# Allegro board S071AA-0413-20260427_Power3.brd (continued)
## Routing (per net, layer and track width the routed paths; a pad name or vN(x,y) marks a point on that pad's centre or on a via; arc(x,y) is an arc through that point) (continued)
S1_DCH231: length 155.4
  L07_DIG w0.076: v2(152.32,218.23) 152.72,218.63 154.27,218.63
  L07_DIG w0.132: 154.27,218.63 154.7,218.63 156.85,220.78 161.6,220.78 231.3,290.49 231.3,300.76 240.37,309.82 240.37,331.54 241.57,332.74
S1_DCH232: length 218.6
  L05_DIG w0.076: v2(153.12,217.43) 153.52,217.83 154.27,217.83
  L05_DIG w0.132: 259.35,99.06 260.69,100.4 260.69,183.15 215.02,228.82 174.49,228.82 165.58,219.91 165.58,217.49 164.74,216.65 158.94,216.65 157.37,218.22 156.54,218.22 156.16,217.83 154.27,217.83
S1_DCH233: length 239.1
  L22_DIG w0.076: v2(153.12,218.23) 153.52,218.63 154.27,218.63
  L22_DIG w0.132: 274.59,370.84 273.46,369.71 273.46,297.25 274.74,295.96 274.74,279.89 225.42,230.57 173.79,230.57 163.98,220.77 161.13,220.77 158.99,218.63 154.27,218.63
S1_DCH234: length 255.5
  L24_DIG w0.132: v2(153.92,218.23) 154.73,219.04 159.42,219.04 160.69,220.3 161.12,220.3 168.71,227.89 206.06,227.89 250.31,183.65 250.31,154.07 270.9,133.48 270.9,57.03 272.05,55.88
S1_DCH235: length 128.3
  L03_DIG w0.132: 195.85,330.2 194.55,328.9 194.55,296.97 193.13,295.55 193.13,289.52 148.51,244.9 148.51,224.02 v2(146.72,222.23)
S1_DCH236: length 211.6
  L20_DIG w0.076: 147.92,222.61 147.92,221.03 v2(147.52,220.63)
  L20_DIG w0.132: 277.13,332.74 275.94,331.55 275.94,290.22 243,257.27 164.84,257.27 150.1,242.53 150.1,224.79 147.92,222.61
S1_DCH237: length 194.3
  L18_DIG w0.076: v2(146.72,219.83) 147.12,220.23 147.12,222.58
  L18_DIG w0.132: 147.12,222.58 148.61,224.07 148.61,258.67 171.95,282.01 172.91,282.01 199.65,308.75 199.65,389.88 200.93,391.16
S1_DCH238: length 151.2
  L07_DIG w0.076: v2(146.72,220.63) 147.12,221.03 147.12,222.61
  L07_DIG w0.132: 147.12,222.61 147.12,223.7 150.17,226.76 150.17,242.13 175.05,267.01 175.05,268.61 176.12,269.68 177.72,269.68 193.55,285.51 193.55,295.66 194.59,296.7 194.59,349.26 195.85,350.52
S1_DCH239: length 195.6
  L18_DIG w0.076: 146.32,222.58 146.32,220.23 v2(145.92,219.83)
  L18_DIG w0.132: 198.39,393.7 197.12,392.43 197.12,308.99 148.01,259.88 148.01,224.27 146.32,222.58
S1_DCH240: length 231.2
  L22_DIG w0.076: v2(147.52,221.43) 147.92,221.83 147.92,222.61
  L22_DIG w0.132: 256.81,373.38 255.7,372.27 255.7,294.95 238.49,277.74 237.53,277.74 215.67,255.87 158.6,255.87 148.44,245.71 148.44,223.12 147.92,222.61
S1_DCH241: length 174.7
  L05_DIG w0.132: v2(146.72,207.03) 146.72,190.68 211.16,126.24 211.16,97.21 202.88,88.93 190.8,88.93 180.61,78.74
S1_DCH242: length 208.9
  L20_DIG w0.076: v2(146.72,219.03) 146.31,219.44 146.31,222.45
  L20_DIG w0.132: 146.31,222.45 148.66,224.8 148.66,243.31 163.99,258.64 239.85,258.64 273.38,292.17 273.38,328.99 274.59,330.2
S1_DCH243: length 210.6
  L20_DIG w0.076: 145.51,222.58 145.51,219.44 v2(145.92,219.03)
  L20_DIG w0.132: 272.05,332.74 270.88,331.57 270.88,292.2 239.98,261.31 164.38,261.31 148.08,245.01 148.08,225.14 145.51,222.58
S1_DCH244: length 257.1
  L24_DIG w0.132: 264.43,391.16 263.1,389.83 263.1,294.12 262.06,293.08 262.06,286.44 227.07,251.44 159.17,251.44 148.67,240.94 148.67,223.38 v2(147.52,222.23)
S1_DCH245: length 143.8
  L03_DIG w0.132: K45.2 209.68,174.46 209.68,87.49 200.93,78.74
S1_DCH246: length 163.7
  L03_DIG w0.132: 236.49,96.52 235.37,97.64 235.37,177.6 195.05,217.92 175.51,217.92 K46.5 K46.4
S1_DPS11: length 13.9
  L16_DPS w0.076: 154.27,217.09 148.78,217.09 v2(148.32,216.63)
  L16_DPS w0.203: 154.27,217.09 154.73,217.09 155.93,218.29 v1(160.44,218.29)
  BOTTOM w0.152: SH15.1 v1(160.44,218.29)
  vias: v1(202.71,292.12) v1(202.71,288.29) v1(202.71,283.21) v1(202.94,279.15) v1(205.52,279.15) v1(205.76,292.12) v1(205.76,288.29) v1(205.76,283.21) v2(144.32,216.63) v2(144.32,215.83) v2(144.32,213.43) v2(144.32,212.63) v2(145.12,216.63) v2(145.12,215.83) v2(145.12,213.43) v2(147.52,216.63) v2(147.52,215.83) v2(147.52,213.43) v2(148.32,215.83)
S1_DPS12: length 15
  L16_DPS w0.076: 140.7,222.61 140.76,222.54 140.76,218.82 140.99,218.59 141.56,218.59 v2(141.92,218.23)
  L16_DPS w0.203: v1(139.86,230.82) 139.86,223.44 140.7,222.61
  BOTTOM w0.152: SH13.1 v1(139.86,230.82)
  vias: v1(172.23,292.12) v1(172.23,288.29) v1(172.23,283.21) v1(172.46,279.15) v1(175.04,279.15) v1(175.28,292.12) v1(175.28,288.29) v1(175.28,283.21) v2(141.92,217.43) v2(141.92,215.03) v2(141.92,214.23) v2(143.52,219.03) v2(144.32,219.03) v2(147.52,219.03) v2(147.52,210.23) v2(149.92,219.03) v2(150.72,219.03) v2(150.72,212.63) v2(150.72,211.83) v2(150.72,211.03) v2(150.72,210.23) v2(151.52,212.63) v2(151.52,211.83) v2(152.32,212.63) v2(152.32,211.83) v2(155.31,213.36) v2(155.31,212.6) v2(155.31,211.84) v2(155.31,211.07)
S1_DPS13: length 11.3
  L09_DPS w0.076: v2(141.92,211.03) 141.51,211.44 141.51,212.02 141.23,212.31 138.29,212.31
  L09_DPS w0.203: v1(132.52,212.67) 137.93,212.67 138.29,212.31
  BOTTOM w0.152: SH9.1 v1(132.52,212.67)
  vias: v1(45.23,292.12) v1(45.23,288.29) v1(45.23,283.21) v1(45.46,279.15) v1(48.04,279.15) v1(48.28,292.12) v1(48.28,288.29) v1(48.28,283.21) v1(61.97,224.69) v1(61.97,209.45) v2(141.92,210.23) v2(145.12,212.63) v2(145.15,211.84)
S1_DPS14: length 13.7
  L11_DPS w0.076: v2(147.38,211.84) 147.13,211.59 147.13,206.68
  L11_DPS w0.203: v1(149.14,200.22) 149.14,204.01 147.13,206.02 147.13,206.68
  BOTTOM w0.152: v1(149.14,200.22) SH7.1
  vias: v1(146.83,292.12) v1(146.83,288.29) v1(146.83,283.21) v1(147.06,279.15) v1(149.64,279.15) v1(149.88,292.12) v1(149.88,288.29) v1(149.88,283.21) v2(144.32,210.23) v2(145.12,210.23) v2(147.52,212.63)
S1_DPS21: length 14.8
  L11_DPS w0.076: v2(148.32,210.23) 148.54,210.45 148.54,210.85 149.9,212.2 156.28,212.2
  L11_DPS w0.203: v1(160.56,212.67) 157.11,212.67 156.64,212.2 156.28,212.2
  BOTTOM w0.152: SH5.1 v1(160.56,212.67)
  vias: v1(123.97,292.12) v1(123.97,288.29) v1(123.97,283.21) v1(124.2,279.15) v1(126.78,279.15) v1(127.02,292.12) v1(127.02,288.29) v1(127.02,283.21)
S1_DPS22: length 20.2
  L11_DPS w0.076: v2(148.32,213.43) 147.93,213.82 147.36,213.82 147.17,214.01 147.17,222.61
  L11_DPS w0.203: 147.17,222.61 147.17,222.7 145.14,224.72 v1(145.14,230.92)
  BOTTOM w0.152: SH11.1 v1(145.14,230.92)
  vias: v1(96.03,292.12) v1(96.03,288.29) v1(96.03,283.21) v1(96.26,279.15) v1(98.84,279.15) v1(99.08,292.12) v1(99.08,288.29) v1(99.08,283.21)
S1_DPS23: length 7.5
  L16_DPS w0.203: v1(183.3,204.99) 181.43,203.12 v1(178.87,203.12)
  BOTTOM w0.152: SH3.1 v1(183.3,204.99)
  BOTTOM w0.305: OSC1.4 v1(176.02,204.19)
  vias: v1(235.73,292.12) v1(235.73,288.29) v1(235.73,283.21) v1(235.96,279.15) v1(238.54,279.15) v1(238.78,292.12) v1(238.78,288.29) v1(238.78,283.21) v2(177.6,202.99)
S1_VCC12A_O_REG: length 35.2
  L03_DIG w0.076: 156.28,212.22 148.72,212.22 v2(148.32,212.63)
  L03_DIG w0.132: K46.6 K46.3 174.59,211.6 171.21,211.6 169.54,213.28 159.75,213.28 158.7,212.22 156.28,212.22
  BOTTOM w0.305: C2.1 K46.6
S1_XOUT: length 30.2
  TOP w0.152: K45.3 174.85,204.76 171.69,204.76 170.7,205.75 148.3,205.75 147.52,206.53 SITE1.Y12
UDBGND: length 147.5
  L14_5V w0.203: UHC430.D2 53.64,358.56 ; UHC430.D2 55.17,360.09 ; UHC430.D2 53.68,360.05 ; UHC430.D2 55.29,358.43 ; 251.73,410.67 UTL3.B11 ; UTL3.B11 250.92,411.48 ; UTL3.B11 252.54,411.48 ; UTL3.B11 251.73,412.29 ; UTL2.A02 166.18,15.24 ; UTL2.A02 165.37,14.43 ; UTL2.A02 164.56,15.24 ; UTL2.A02 165.37,16.05 ; 108.68,411.48 UTL4.B09 ; UTL4.B09 110.3,411.48 ; UTL4.B09 109.49,412.29 ; UTL4.B09 109.49,410.67 ; 179.8,15.24 UTL2.A08 ; UTL2.A08 181.42,15.24 ; UTL2.A08 180.61,14.43 ; UTL2.A08 180.61,16.05 ; 244.11,413.21 UTL3.A14 ; UTL3.A14 244.11,414.83 ; UTL3.A14 243.3,414.02 ; UTL3.A14 244.92,414.02 ; 45.18,17.78 UTL1.B13 ; UTL1.B13 45.99,16.97 ; UTL1.B13 45.99,18.59 ; UTL1.B13 46.8,17.78 ; UTL1.A10 39.18,15.24 ; UTL1.A10 38.37,14.43 ; UTL1.A10 38.37,16.05 ; UTL1.A10 37.56,15.24 ; UTL2.B13 194.12,17.78 ; UTL2.B13 192.5,17.78 ; UTL2.B13 193.31,16.97 ; UTL2.B13 193.31,18.59 ; 248.38,414.02 UTL3.A12 ; UTL3.A12 249.19,414.83 ; UTL3.A12 250,414.02 ; UTL3.A12 249.19,413.21 ; UHC230.D2 55.19,349.95 ; UHC230.D2 53.68,349.89 ; UHC230.D2 55.17,348.39 ; UHC230.D2 53.64,348.4 ; UTL3.B07 262.7,411.48 ; UTL3.B07 261.89,410.67 ; UTL3.B07 261.08,411.48 ; UTL3.B07 261.89,412.29 ; UTL3.B09 257.62,411.48 ; UTL3.B09 256.81,410.67 ; UTL3.B09 256,411.48 ; UTL3.B09 256.81,412.29 ; UTL2.B09 183.96,17.78 ; UTL2.B09 183.15,16.97 ; UTL2.B09 182.34,17.78 ; UTL2.B09 183.15,18.59 ; 101.06,414.02 UTL4.A12 ; UTL4.A12 101.87,413.21 ; UTL4.A12 102.68,414.02 ; UTL4.A12 101.87,414.83 ; UTL1.B01 15.51,18.59 ; UTL1.B01 14.7,17.78 ; UTL1.B01 15.51,16.97 ; UTL1.B01 16.32,17.78 ; UTL2.A14 195.85,16.05 ; UTL2.A14 195.85,14.43 ; UTL2.A14 195.04,15.24 ; UTL2.A14 196.66,15.24 ; 129,411.48 UTL4.B01 ; UTL4.B01 129.81,412.29 ; UTL4.B01 130.62,411.48 ; UTL4.B01 129.81,410.67 ; UTL4.A08 112.84,414.02 ; UTL4.A08 111.22,414.02 ; UTL4.A08 112.03,413.21 ; UTL4.A08 112.03,414.83 ; UTL1.A08 33.29,16.05 ; UTL1.A08 33.29,14.43 ; UTL1.A08 34.1,15.24 ; UTL1.A08 32.48,15.24 ; UTL3.B13 246.65,412.29 ; UTL3.B13 247.46,411.48 ; UTL3.B13 246.65,410.67 ; UTL3.B13 245.84,411.48 ; 274.59,413.21 UTL3.A02 ; UTL3.A02 274.59,414.83 ; UTL3.A02 273.78,414.02 ; UTL3.A02 275.4,414.02 ; 35.83,16.97 UTL1.B09 ; UTL1.B09 36.64,17.78 ; UTL1.B09 35.83,18.59 ; UTL1.B09 35.02,17.78 ; UTL2.B11 188.23,18.59 ; UTL2.B11 187.42,17.78 ; UTL2.B11 188.23,16.97 ; UTL2.B11 189.04,17.78 ; 17.24,15.24 UTL1.A02 ; UTL1.A02 18.86,15.24 ; UTL1.A02 18.05,16.05 ; UTL1.A02 18.05,14.43 ; 189.96,15.24 UTL2.A12 ; UTL2.A12 190.77,14.43 ; UTL2.A12 191.58,15.24 ; UTL2.A12 190.77,16.05 ; 276.32,411.48 UTL3.B01 ; UTL3.B01 277.13,412.29 ; UTL3.B01 277.13,410.67 ; UTL3.B01 277.94,411.48 ; UTL3.A10 254.27,414.83 ; UTL3.A10 255.08,414.02 ; UTL3.A10 254.27,413.21 ; UTL3.A10 253.46,414.02 ; 40.91,16.97 UTL1.B11 ; UTL1.B11 40.1,17.78 ; UTL1.B11 41.72,17.78 ; UTL1.B11 40.91,18.59 ; 258.54,414.02 UTL3.A08 ; UTL3.A08 259.35,413.21 ; UTL3.A08 260.16,414.02 ; UTL3.A08 259.35,414.83 ; UTL4.B11 104.41,412.29 ; UTL4.B11 105.22,411.48 ; UTL4.B11 104.41,410.67 ; UTL4.B11 103.6,411.48 ; 106.14,414.02 UTL4.A10 ; UTL4.A10 106.95,413.21 ; UTL4.A10 107.76,414.02 ; UTL4.A10 106.95,414.83 ; 113.76,411.48 UTL4.B07 ; UTL4.B07 114.57,412.29 ; UTL4.B07 115.38,411.48 ; UTL4.B07 114.57,410.67 ; UHC430.B2 55.27,363.69 ; UHC430.B2 55.27,361.96 ; UHC430.B2 53.68,363.55 ; UHC430.B2 53.74,362.16 ; UTL2.B01 162.83,18.59 ; UTL2.B01 163.64,17.78 ; UTL2.B01 162.02,17.78 ; UTL2.B01 162.83,16.97 ; UTL2.A10 185.69,16.05 ; UTL2.A10 186.5,15.24 ; UTL2.A10 185.69,14.43 ; UTL2.A10 184.88,15.24 ; UTL1.B07 30.75,18.59 ; UTL1.B07 31.56,17.78 ; UTL1.B07 29.94,17.78 ; UTL1.B07 30.75,16.97 ; UHC230.B2 53.61,353.46 ; UHC230.B2 55.08,351.99 ; UHC230.B2 55.19,353.46 ; UHC230.B2 53.7,351.96 ; UTL2.B07 178.07,18.59 ; UTL2.B07 178.07,16.97 ; UTL2.B07 177.26,17.78 ; UTL2.B07 178.88,17.78 ; 95.98,414.02 UTL4.A14 ; UTL4.A14 96.79,413.21 ; UTL4.A14 97.6,414.02 ; UTL4.A14 96.79,414.83 ; UTL1.A12 44.26,15.24 ; UTL1.A12 42.64,15.24 ; UTL1.A12 43.45,16.05 ; UTL1.A12 43.45,14.43 ; 47.72,15.24 UTL1.A14 ; UTL1.A14 49.34,15.24 ; UTL1.A14 48.53,14.43 ; UTL1.A14 48.53,16.05 ; UTL4.B13 99.33,412.29 ; UTL4.B13 99.33,410.67 ; UTL4.B13 100.14,411.48 ; UTL4.B13 98.52,411.48 ; UTL4.A02 127.27,414.83 ; UTL4.A02 126.46,414.02 ; UTL4.A02 128.08,414.02 ; UTL4.A02 127.27,413.21
  vias: v1(15.81,284.99) v1(15.81,282.19) v1(16.83,143.26) v1(16.83,140.46) v1(20.57,297.6) v1(22.88,296.69) v1(69.93,18.16) v1(73.16,21.08) v1(75.39,19.56) v1(75.39,18.16) v1(75.39,16.89) v1(75.39,15.49) v1(85.09,131.99) v1(87.39,131.08) v1(96.54,132.78) v1(191.53,133.52) v1(193.84,132.61) v1(263.16,289.13) v1(265.47,288.22) v1(275.91,285.24) v1(275.91,282.45) v1(277.43,133.1) v1(277.43,130.3)
UT1_UP5V: length 547.5
  TOP w0.305: R30.2 57.42,237.74 K30.3 ; K28.3 104.66,230.12 R28.2 ; R17.2 33.8,214.88 K17.3 ; K27.3 81.04,230.12 R27.2 ; KS4.3 50.82,161.8 LRB5.1 ; K1.3 104.66,184.4 R1.2 ; R12.2 81.04,199.64 K12.3 ; K20.3 104.66,214.88 R20.2 ; R3.2 57.42,184.4 K3.3 ; K35.3 118.13,143.76 R35.2 ; R2.2 81.04,184.4 K2.3 ; K23.3 81.04,222.5 R23.2 ; K6.3 33.8,192.02 R6.2 ; K44.3 156.23,143.51 R44.2 ; R32.2 104.66,237.74 K32.3 ; K14.3 81.04,207.26 R14.2 ; K42.3 156.23,166.88 R42.2 ; K41.3 133.37,166.88 R41.2 ; K24.3 104.66,222.5 R24.2 ; K11.3 104.66,192.02 R11.2 ; K33.3 118.13,166.88 R33.2 ; K21.3 33.8,222.5 R21.2 ; K38.3 148.61,166.88 R38.2 ; K45.1 183.32,205.92 183.99,205.24 R45.2 ; R36.2 140.99,143.51 K36.3 ; K43.3 133.37,143.76 R43.2 ; R22.2 57.42,222.5 K22.3 ; K29.3 33.8,237.74 R29.2 ; R46.2 183.02,212.51 182.51,213.03 K46.1 ; KS2.1 54.91,133.37 54.45,132.91 LRB3.1 ; R15.2 104.66,207.26 K15.3 ; K25.3 33.8,230.12 R25.2 ; K39.3 125.75,143.76 R39.2 ; R26.2 57.42,230.12 K26.3 ; R16.2 33.8,184.4 K16.3 ; LRB4.1 50.82,154.18 KS3.3 ; R5.2 33.8,199.64 K5.3 ; K31.3 81.04,237.74 R31.2 ; K4.3 33.8,207.26 R4.2 ; KS1.1 36.62,133.37 36.17,132.91 LRB2.1 ; K8.3 57.42,199.64 R8.2 ; K9.3 57.42,192.02 R9.2 ; K34.3 140.99,166.88 R34.2 ; R18.2 57.42,214.88 K18.3 ; R10.2 81.04,192.02 K10.3 ; R37.2 125.75,166.88 K37.3 ; R13.2 104.66,199.64 K13.3 ; R7.2 57.42,207.26 K7.3 ; K19.3 81.04,214.88 R19.2 ; K40.3 148.61,143.51 R40.2
  L14_5V w0.203: K39.3 123.21,142.34 ; K39.3 124.32,141.22 ; K39.3 123.21,140.11 ; K39.3 122.09,141.22 ; 53.76,232.66 K26.3 ; K26.3 56,232.66 ; K26.3 54.88,233.78 ; K26.3 54.88,231.55 ; KS4.3 53.36,160.38 ; KS4.3 52.24,159.26 ; KS4.3 53.36,158.14 ; KS4.3 54.47,159.26 ; 78.5,239.17 K31.3 ; K31.3 77.38,240.28 ; K31.3 78.5,241.4 ; K31.3 79.62,240.28 ; 181.42,204.98 K45.1 ; K45.1 181.42,206.86 ; K45.1 180.48,205.92 ; K45.1 182.36,205.92 ; K23.3 78.5,226.16 ; K23.3 78.5,223.93 ; K23.3 77.38,225.04 ; K23.3 79.62,225.04 ; 130.83,163.22 K41.3 ; K41.3 131.94,164.34 ; K41.3 129.71,164.34 ; K41.3 130.83,165.46 ; K42.3 153.69,165.46 ; K42.3 154.8,164.34 ; K42.3 153.69,163.22 ; K42.3 152.57,164.34 ; K34.3 139.56,164.34 ; K34.3 138.45,163.22 ; K34.3 137.33,164.34 ; K34.3 138.45,165.46 ; UTL2.B04 170.45,18.59 ; UTL2.B04 170.45,16.97 ; UTL2.B04 171.26,17.78 ; UTL2.B04 169.64,17.78 ; 129.71,141.22 K43.3 ; K43.3 130.83,140.11 ; K43.3 131.94,141.22 ; K43.3 130.83,142.34 ; UT_UP5V1.1 94,135.81 ; UT_UP5V1.1 94.94,134.87 ; UT_UP5V1.1 93.06,134.87 ; UT_UP5V1.1 94,133.93 ; K37.3 123.21,165.46 ; K37.3 123.21,163.22 ; K37.3 124.32,164.34 ; K37.3 122.09,164.34 ; K17.3 32.38,217.42 ; K17.3 30.14,217.42 ; K17.3 31.26,218.54 ; K17.3 31.26,216.31 ; 77.38,217.42 K19.3 ; K19.3 79.62,217.42 ; K19.3 78.5,216.31 ; K19.3 78.5,218.54 ; 31.26,193.45 K6.3 ; K6.3 30.14,194.56 ; K6.3 31.26,195.68 ; K6.3 32.38,194.56 ; K15.3 102.12,210.92 ; K15.3 101.01,209.8 ; K15.3 102.12,208.69 ; K15.3 103.24,209.8 ; 77.38,194.56 K10.3 ; K10.3 79.62,194.56 ; K10.3 78.5,195.68 ; K10.3 78.5,193.45 ; 53.36,150.52 KS3.3 ; KS3.3 53.36,152.76 ; KS3.3 52.24,151.64 ; KS3.3 54.47,151.64 ; UTL4.A05 119.65,414.83 ; UTL4.A05 118.84,414.02 ; UTL4.A05 119.65,413.21 ; UTL4.A05 120.46,414.02 ; UTL2.A05 173.8,15.24 ; UTL2.A05 172.99,16.05 ; UTL2.A05 172.99,14.43 ; UTL2.A05 172.18,15.24 ; 101.01,232.66 K28.3 ; K28.3 103.24,232.66 ; K28.3 102.12,231.55 ; K28.3 102.12,233.78 ; UTL3.B04 269.51,412.29 ; UTL3.B04 270.32,411.48 ; UTL3.B04 268.7,411.48 ; UTL3.B04 269.51,410.67 ; 31.26,239.17 K29.3 ; K29.3 30.14,240.28 ; K29.3 32.38,240.28 ; K29.3 31.26,241.4 ; 53.76,194.56 K9.3 ; K9.3 54.88,193.45 ; K9.3 56,194.56 ; K9.3 54.88,195.68 ; K21.3 31.26,226.16 ; K21.3 30.14,225.04 ; K21.3 31.26,223.93 ; K21.3 32.38,225.04 ; 144.95,140.97 K40.3 ; K40.3 147.18,140.97 ; K40.3 146.07,139.85 ; K40.3 146.07,142.09 ; UTL1.B04 23.13,18.59 ; UTL1.B04 22.32,17.78 ; UTL1.B04 23.94,17.78 ; UTL1.B04 23.13,16.97 ; 54.88,216.31 K18.3 ; K18.3 53.76,217.42 ; K18.3 56,217.42 ; K18.3 54.88,218.54 ; 54.91,133.47 KS2.1 ; KS2.1 55.79,134.34 ; KS2.1 54.03,134.34 ; 53.76,202.18 K8.3 ; K8.3 54.88,203.3 ; K8.3 56,202.18 ; K8.3 54.88,201.07 ; 53.76,186.94 K3.3 ; K3.3 54.88,188.06 ; K3.3 54.88,185.83 ; K3.3 56,186.94 ; K33.3 116.7,164.34 ; K33.3 115.59,163.22 ; K33.3 115.59,165.46 ; K33.3 114.47,164.34 ; K12.3 78.5,203.3 ; K12.3 78.5,201.07 ; K12.3 79.62,202.18 ; K12.3 77.38,202.18 ; K11.3 103.24,194.56 ; K11.3 102.12,193.45 ; K11.3 101.01,194.56 ; K11.3 102.12,195.68 ; UHC430.C4 51.64,360.34 ; UHC430.C4 50.19,361.79 ; UHC430.C4 50.16,360.33 ; UHC430.C4 51.7,361.87 ; 115.59,140.11 K35.3 ; K35.3 115.59,142.34 ; K35.3 114.47,141.22 ; K35.3 116.7,141.22 ; K1.3 102.12,188.06 ; K1.3 102.12,185.83 ; K1.3 101.01,186.94 ; K1.3 103.24,186.94 ; 31.26,185.83 K16.3 ; K16.3 30.14,186.94 ; K16.3 31.26,188.06 ; K16.3 32.38,186.94 ; 180.48,213.03 K46.1 ; K46.1 181.42,212.09 ; K46.1 181.42,213.97 ; K46.1 182.36,213.03 ; K36.3 138.45,142.09 ; K36.3 137.33,140.97 ; K36.3 139.56,140.97 ; K36.3 138.45,139.85 ; UTL4.B04 123,411.48 ; UTL4.B04 122.19,410.67 ; UTL4.B04 121.38,411.48 ; UTL4.B04 122.19,412.29 ; 153.69,139.85 K44.3 ; K44.3 153.69,142.09 ; K44.3 152.57,140.97 ; K44.3 154.8,140.97 ; 101.01,217.42 K20.3 ; K20.3 102.12,216.31 ; K20.3 103.24,217.42 ; K20.3 102.12,218.54 ; K30.3 54.88,241.4 ; K30.3 56,240.28 ; K30.3 54.88,239.17 ; K30.3 53.76,240.28 ; K24.3 103.24,225.04 ; K24.3 101.01,225.04 ; K24.3 102.12,226.16 ; K24.3 102.12,223.93 ; 78.5,231.55 K27.3 ; K27.3 77.38,232.66 ; K27.3 78.5,233.78 ; K27.3 79.62,232.66 ; 31.26,231.55 K25.3 ; K25.3 32.38,232.66 ; K25.3 31.26,233.78 ; K25.3 30.14,232.66 ; 101.01,202.18 K13.3 ; K13.3 102.12,203.3 ; K13.3 102.12,201.07 ; K13.3 103.24,202.18 ; 53.76,225.04 K22.3 ; K22.3 54.88,223.93 ; K22.3 54.88,226.16 ; K22.3 56,225.04 ; K38.3 147.18,164.34 ; K38.3 144.95,164.34 ; K38.3 146.07,165.46 ; K38.3 146.07,163.22 ; UTL1.A05 26.48,15.24 ; UTL1.A05 25.67,14.43 ; UTL1.A05 25.67,16.05 ; UTL1.A05 24.86,15.24 ; 31.26,201.07 K5.3 ; K5.3 30.14,202.18 ; K5.3 32.38,202.18 ; K5.3 31.26,203.3 ; K2.3 79.62,186.94 ; K2.3 78.5,188.06 ; K2.3 78.5,185.83 ; K2.3 77.38,186.94 ; K7.3 54.88,210.92 ; K7.3 53.76,209.8 ; K7.3 54.88,208.69 ; K7.3 56,209.8 ; 102.12,239.17 K32.3 ; K32.3 102.12,241.4 ; K32.3 101.01,240.28 ; K32.3 103.24,240.28 ; K4.3 32.38,209.8 ; K4.3 30.14,209.8 ; K4.3 31.26,208.69 ; K4.3 31.26,210.92 ; UTL3.A05 266.97,414.83 ; UTL3.A05 266.97,413.21 ; UTL3.A05 267.78,414.02 ; UTL3.A05 266.16,414.02 ; 77.38,209.8 K14.3 ; K14.3 78.5,210.92 ; K14.3 78.5,208.69 ; K14.3 79.62,209.8 ; 36.62,133.47 KS1.1 ; KS1.1 37.5,134.34 ; KS1.1 35.75,134.34
  vias: v1(20.57,299.3) v1(22.88,299.19) v1(67.07,18.88) v1(67.07,13.63) v1(69.93,19.56) v1(72.16,21.08) v1(85.09,133.69) v1(87.39,133.58) v1(94,132.68) v1(191.53,135.22) v1(193.84,135.11) v1(263.16,290.83) v1(265.47,290.72)
UT1_URW00: length 214.7
  TOP w0.305: KS1.9 39.61,133.37 39.88,133.09 LDB2.2
  L13_CBIT w0.305: KS1.9 81.03,92.92 81.03,10.62 77.67,7.26 23.49,7.26 UTL1.A01
UT1_URW01: length 232.2
  TOP w0.305: KS2.9 57.9,133.37 58.17,133.09 LDB3.2
  L13_CBIT w0.305: UTL1.B02 11.95,23.88 11.95,146.91 29.97,164.93 57.48,164.93 65.28,157.13 65.28,133.42 63.59,131.73 60.51,131.73 KS2.9
UT1_URW02: length 231.6
  TOP w0.305: KS3.1 40.66,154.18 LDB4.2
  L13_CBIT w0.305: UTL1.A03 24.58,11.25 75.96,11.25 78.75,14.04 78.75,84.33 28.99,134.09 28.99,146.28 34.34,151.64 KS3.1
UT1_URW03: length 166.2
  TOP w0.305: KS4.1 40.66,161.8 LDB5.2
  L13_CBIT w0.305: KS4.1 29.44,159.26 13.36,143.18 13.36,25.01 UTL1.B03
UT1_UW14: length 33.1
  L13_CBIT w0.305: v1(69.93,16.89) 71.36,15.46 71.36,14.46 69.62,12.72 48.51,12.72 UTL1.A13
  BOTTOM w0.305: RB1.2 68.47,17.18 68.76,16.89 v1(69.93,16.89)
UT1_UW15: length 26.4
  L13_CBIT w0.305: UTL1.B14 49.92,19.17 64.35,19.17 68.02,15.49 v1(69.93,15.49)
  BOTTOM w0.305: v1(69.93,15.49) 68.76,15.49 68.59,15.33 RB2.2
N18284685: length 3.9
  TOP w0.305: KB2-4.1 54.22,140.11 54.22,139.14 KS2.4
N18284703: length 1.4
  TOP w0.305: LRB2.2 LDB2.1
N18284711: length 4
  TOP w0.305: KS2.3 51.05,137.18 KB2-3.1
N18284713: length 3.9
  TOP w0.305: KB2-6.1 58.59,140.11 58.59,139.14 KS2.6
N18284719: length 4
  TOP w0.305: KS2.7 61.76,137.18 KB2-7.1
N18284723: length 1.4
  TOP w0.305: LDB3.1 LRB3.2
N18284731: length 3.9
  TOP w0.305: KB1-4.1 35.93,140.11 35.93,139.14 KS1.4
N18284735: length 4
  TOP w0.305: KS1.3 32.76,137.18 KB1-3.1
N18284737: length 3.9
  TOP w0.305: KB1-6.1 40.3,140.11 40.3,139.14 KS1.6
N18284739: length 4
  TOP w0.305: KB1-7.1 43.47,137.18 KS1.7
N18284747: length 3.9
  TOP w0.305: KS1.2 34.28,135.61 KB1-2.1
N18284749: length 3.9
  TOP w0.305: KS1.8 41.95,135.61 KB1-8.1
N18284751: length 3.9
  TOP w0.305: KB2-2.1 52.57,135.61 KS2.2
N18284753: length 3.9
  TOP w0.305: KB2-8.1 60.24,135.61 KS2.8
N18285026: length 2.9
  TOP w0.305: LDB4.1 LRB4.2
N18285036: length 2.9
  TOP w0.305: LDB5.1 LRB5.2
N18285067: length 3.6
  TOP w0.305: KS4.4 KB4-4.1
N18285069: length 3.6
  TOP w0.305: KS4.5 KB4-5.1
N18285071: length 3.6
  TOP w0.305: KS4.8 KB4-8.1
N18285089: length 3.6
  TOP w0.305: KS3.8 KB3-8.1
N18285091: length 3.6
  TOP w0.305: KS3.4 KB3-4.1
N18285093: length 3.6
  TOP w0.305: KS3.5 KB3-5.1
N18285182: length 2.6
  TOP w0.152: LRB1.1 95.55,130.98 95.65,130.88 LDB1.1
N22954976: length 2.1
  TOP w0.305: R15.1 LD15.1
N22955016: length 2.1
  TOP w0.305: R16.1 LD16.1
N22955678: length 2.1
  TOP w0.305: R1.1 LD1.1
N22955710: length 2.1
  TOP w0.305: R2.1 LD2.1
N22955758: length 2.1
  TOP w0.305: R3.1 LD3.1
N22955802: length 2.1
  TOP w0.305: R4.1 LD4.1
N22955842: length 2.1
  TOP w0.305: R5.1 LD5.1
N22955878: length 2.1
  TOP w0.305: R6.1 LD6.1
N22955926: length 2.1
  TOP w0.305: R7.1 LD7.1
N22955970: length 2.1
  TOP w0.305: R8.1 LD8.1
N22956024: length 2.1
  TOP w0.305: R9.1 LD9.1
N22956064: length 2.1
  TOP w0.305: R10.1 LD10.1
N22956104: length 2.1
  TOP w0.305: R11.1 LD11.1
N22956144: length 2.1
  TOP w0.305: R12.1 LD12.1
N22956184: length 2.1
  TOP w0.305: R13.1 LD13.1
N22956224: length 2.1
  TOP w0.305: R14.1 LD14.1
N22963164: length 2.1
  TOP w0.305: R19.1 LD19.1
N22963523: length 2.1
  TOP w0.305: R20.1 LD20.1
N22963871: length 2.1
  TOP w0.305: R21.1 LD21.1
N22964216: length 2.1
  TOP w0.305: R22.1 LD22.1
N22964605: length 2.1
  TOP w0.305: R23.1 LD23.1
N22964637: length 2.1
  TOP w0.305: R24.1 LD24.1
N22965490: length 2.1
  TOP w0.305: R17.1 LD17.1
N22965526: length 2.1
  TOP w0.305: R18.1 LD18.1
N22974884: length 2.1
  TOP w0.305: R25.1 LD25.1
N22974900: length 2.1
  TOP w0.305: R26.1 LD26.1
N22974958: length 2.1
  TOP w0.305: R29.1 LD29.1
N22975006: length 2.1
  TOP w0.305: R27.1 LD27.1
N22975038: length 2.1
  TOP w0.305: R28.1 LD28.1
N22975098: length 2.1
  TOP w0.305: R30.1 LD30.1
N22976209: length 2.1
  TOP w0.305: R31.1 LD31.1
N22976245: length 2.1
  TOP w0.305: R32.1 LD32.1
N22984719: length 2.1
  TOP w0.305: R33.1 LD33.1
N22984755: length 2.1
  TOP w0.305: R34.1 LD34.1
N22984791: length 2.1
  TOP w0.305: R35.1 LD35.1
N22984831: length 2.1
  TOP w0.305: LD36.1 R36.1
N22984875: length 2.1
  TOP w0.305: R37.1 LD37.1
N22984899: length 2.1
  TOP w0.305: R38.1 LD38.1
N22984935: length 2.1
  TOP w0.305: R39.1 LD39.1
N22984991: length 2.1
  TOP w0.305: R40.1 LD40.1
N22985097: length 2.1
  TOP w0.305: R41.1 LD41.1
N22985125: length 2.1
  TOP w0.305: R42.1 LD42.1
N22988922: length 2.1
  TOP w0.305: R43.1 LD43.1
N22989162: length 2.1
  TOP w0.305: R44.1 LD44.1
N23040624: length 2.1
  TOP w0.305: LD45.1 R45.1
N23040666: length 2.9
  BOTTOM w0.305: OSC1.3 K45.4
N23043619: length 145.9
  L16_DPS w0.203: v1(232.68,292.42) v1(230.14,292.42) 229.5,293.06 223.96,293.06 223.71,292.81 223.71,291.88 224.09,291.5 227.07,291.5 230.9,287.67 230.9,212.08 230.17,211.34 230.17,206.74 228.42,204.99 v1(186.49,204.99)
  BOTTOM w0.152: SH3.2 v1(186.49,204.99)
N23043647: length 137.5
  L16_DPS w0.203: v1(186.49,203.8) 186.86,203.42 228.16,203.42 230.94,206.2 230.94,211 231.65,211.72 231.65,288.37 v1(227.6,292.42) v1(225.06,292.42)
  BOTTOM w0.152: SH4.2 v1(186.49,203.8)
N23050554: length 1.5
  TOP w0.305: LD46.1 R46.1
N23057413: length 133.1
  L11_DPS w0.203: v1(120.92,292.42) v1(118.38,292.42) 117.26,293.53 113.16,293.53 112.36,292.73 112.36,280.15 151.11,241.4 169.98,241.4 171.89,239.49 171.89,214.34 170.21,212.67 v1(163.86,212.67)
  BOTTOM w0.152: v1(163.86,212.67) 162.9,212.67 SH5.2
N23057441: length 127.8
  L11_DPS w0.203: v1(113.3,292.42) v1(115.84,292.42) 114.39,290.97 114.39,279.37 151.87,241.88 170.86,241.88 172.64,240.11 172.64,213.5 170.81,211.68 v1(163.86,211.68)
  BOTTOM w0.152: SH6.2 v1(163.86,211.68)
N23058541: length 225.3
  L11_DPS w0.203: v1(143.78,292.42) v1(141.24,292.42) 140.31,293.35 135.28,293.35 134.48,292.55 134.48,292 135.13,291.34 137.89,291.34 141.59,287.64 141.59,272.25 155.57,258.27 197.79,258.27 205.81,250.26 205.81,223.84 206.53,223.11 206.53,200.69 194.08,188.24 159.13,188.24 150.26,197.11 v1(149.14,197.11)
  BOTTOM w0.152: SH7.2 v1(149.14,197.11)
N23058569: length 217.7
  L11_DPS w0.203: v1(148.13,197.11) 157.94,187.3 194.57,187.3 207.5,200.22 207.5,223.52 206.73,224.3 206.73,250.33 198.16,258.9 156.02,258.9 142.74,272.18 142.74,288.38 v1(138.7,292.42) v1(136.16,292.42)
  BOTTOM w0.152: SH8.2 148.13,198.11 v1(148.13,197.11)
N23059275: length 153.6
  L09_DPS w0.203: v1(129.59,212.67) 129.06,212.67 120.13,221.59 120.13,242.14 113.46,248.81 79.07,248.81 66.08,261.81 66.08,290.94 63.96,293.05 42.81,293.05 v1(42.18,292.42) v1(39.64,292.42)
  BOTTOM w0.152: SH9.2 v1(129.59,212.67)
